# KiCad board reCamera S101 v1.1.kicad_pcb
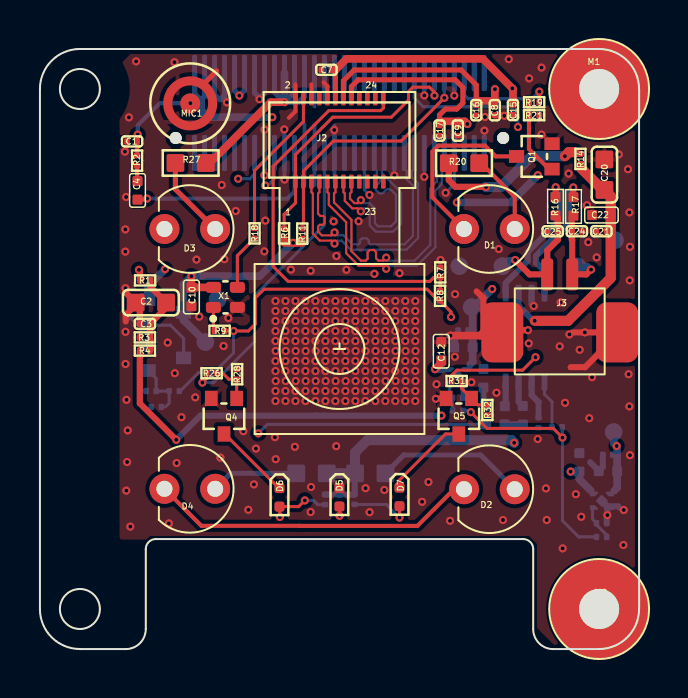
[diagram p0: board, top side]
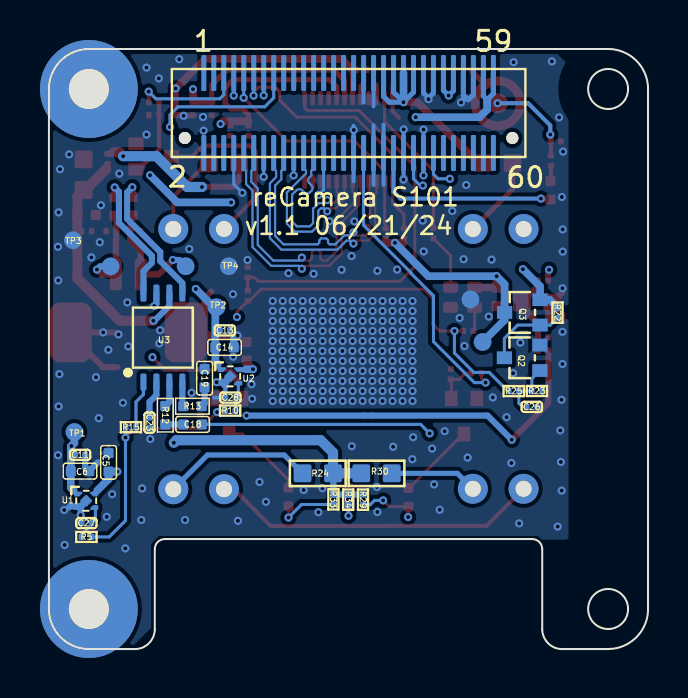
[diagram p1: board, bottom side, seen from below]

Outline 30 x 30 mm; copper layers: Top, In1.Cu, In2.Cu, Bottom. Coordinates in mm from the lower left corner of the outline.
Outline path: circle c2,28 r1 ; circle c2,2 r1 ; 2,0 4.3,0 arc(5.01,0.29) 5.3,1 5.3,5 arc(5.45,5.35) 5.8,5.5 24.2,5.5 arc(24.55,5.35) 24.7,5 24.7,1 arc(24.99,0.29) 25.7,0 28,0 ; 2,0 arc(0.59,0.59) 0,1.99 0,28 arc(0.58,29.41) 1.99,30 28,30 arc(29.41,29.42) 30,28 30,2 arc(29.41,0.59) 28,0
Stack: Top 0.035mm / dielectric 0.1mm FR4 er 4.5 / In1.Cu 0.035mm / dielectric 1.24mm FR4 er 4.5 / In2.Cu 0.035mm / dielectric 0.1mm FR4 er 4.5 / Bottom 0.035mm

## Placement (name value [footprint] x y rotation side)
C1  100pF  [C0201]  4.61 25.38 180 top
C2  22uF  [C0603]  5.55 17.32 180 top
C3  100nF  [C0201]  5.25 16.26 180 top
C4  2.2uF  [C0402]  4.88 22.93 90 top
C5  4.7uF  [C0402]  27.01 9.34 90 bottom
C6  10uF  [C0402]  28.44 8.9 180 bottom
C7  100nF  [C0201]  14.34 28.96 180 top
C8  100nF  [C0201]  22.78 26.94 270 top
C9  100nF  [C0201]  20.92 25.92 270 top
C10  1uF  [C0402]  7.58 17.61 270 top
C11  100nF  [C0201]  28.44 9.71 180 bottom
C12  4.7uF  [C0402]  20.09 14.89 90 top
C13  100nF  [C0201]  21.19 15.93 180 bottom
C14  10uF  [C0402]  21.2 15.08 180 bottom
C15  1uF  [C0201]  23.69 26.95 270 top
C16  1uF  [C0201]  21.85 26.94 270 top
C17  1uF  [C0201]  20.01 25.92 270 top
C18  2.2uF  [C0402]  22.8 11.23 0 bottom
C19  2.2uF  [C0402]  22.2 13.54 270 bottom
C20  10uF  [C0603]  28.26 23.72 90 top
C21  100nF  [C0201]  28.11 20.89 180 top
C22  1uF  [C0402]  28.11 21.7 180 top
C23  100nF  [C0201]  24.96 11.32 270 bottom
C24  1nF  [C0201]  26.88 20.89 0 top  (not fitted)
C25  1nF  [C0201]  25.67 20.89 180 top  (not fitted)
C26  100nF  [C0201]  5.82 12.11 180 bottom  (not fitted)
C27  100nF  [C0201]  28.12 6.3 0 bottom  (not fitted)
C28  100nF  [C0201]  20.91 12.57 0 bottom
D1  White  [LED2-2.54-4.15MM]  22.5 21 180 top
D2  White  [LED2-2.54-4.15MM]  22.5 7.99 180 top
D3  White  [LED2-2.54-4.15MM]  7.5 21 180 top
D4  White  [LED2-2.54-4.15MM]  7.5 8.01 180 top
D5  Green  [LED-0402]  14.99 7.59 270 top
D6  Red  [LED-0402]  11.99 7.59 270 top
D7  Blue  [LED-0402]  18 7.61 270 top
J1  ST-BTB-058060-B  [BTB60-Male-Female-0.5-17.7x4.4mm]  14.99 26.8 180 bottom
J2  DF30FC-24DS-0.4V  [BTB2x12P_0d4_7_02x3_76x0_9mm]  14.99 25.45 0 top
J3  1.25-2A-WT  [GH2-1.25-7.4X5.3X3.5MM]  26.03 19.53 180 top
M1  -  [PTH_5X2MM]  28 28 0 top
M2  -  [PTH_5X2MM]  28 2 0 top
MIC1  B4013AM422-42  [MIC-5P-SMD-4X4MM]  7.52 27.28 90 top
Q1  YJL2102W  [SOT-323]  24.75 24.63 0 top
Q2  LBSS138WT1G  [SOT-323]  6.3 14.56 180 bottom
Q3  CJ2101  [SOT-323]  6.29 16.83 180 bottom
Q4  LBSS138WT1G  [SOT-323]  9.21 11.64 90 top
Q5  LBSS138WT1G  [SOT-323]  20.97 11.64 90 top
R1  2.2K  [R0201]  5.26 18.43 180 top
R2  2.2R  [R0201]  4.86 24.42 270 top
R3  1K  [R0201]  5.25 15.58 0 top
R4  330R  [R0201]  5.25 14.92 180 top
R5  1K  [R0201]  28.12 5.61 180 bottom
R6  4.7K  [R0201]  12.22 20.78 270 top
R7  10K  [R0201]  20.04 18.83 270 top
R8  0R  [R0201]  20.03 17.66 90 top  (not fitted)
R9  1K  [R0201]  8.99 15.91 0 top
R10  100K  [R0201]  20.92 11.92 0 bottom
R11  4.7K  [R0201]  13.13 20.77 270 top
R12  30K  [R0402]  24.17 11.69 90 bottom
R13  30K  [R0402]  22.81 12.14 0 bottom
R14  0R  [R0201]  27.06 24.51 270 top
R15  10K  [R0201]  25.89 11.09 0 bottom
R16  0R  [R0402]  25.81 22.14 270 top
R17  0R  [R0402]  26.71 22.13 270 top
R18  0R  [R0201]  10.74 20.78 90 top
R19  1K  [R0201]  24.74 27.34 180 top
R20  100R  [R0603]  21.23 24.29 180 top
R21  47K  [R0201]  24.74 26.69 180 top
R22  100K  [R0201]  4.53 16.82 90 bottom
R23  100K  [R0201]  5.56 12.9 0 bottom
R24  100R  [R0603]  16.54 8.79 180 bottom
R25  1K  [R0201]  6.72 12.9 180 bottom
R26  1K  [R0201]  8.59 13.79 0 top
R27  100R  [R0603]  7.55 24.3 0 top
R28  47K  [R0201]  9.87 13.74 270 top
R29  1K  [R0201]  14.27 7.47 90 bottom
R30  100R  [R0603]  13.6 8.79 0 bottom
R31  1K  [R0201]  20.86 13.4 0 top
R32  47K  [R0201]  22.4 11.95 90 top
R33  1K  [R0201]  15.75 7.48 90 bottom
R34  1K  [R0201]  15.01 7.47 90 bottom
TP1  Test Point  [TP-D35MIL]  28.72 10.85 90 bottom
TP2  Test Point  [TP-D35MIL]  21.61 17.09 90 bottom
TP3  Test Point  [TP-D35MIL]  28.79 20.44 90 bottom
TP4  Test Point  [TP-D35MIL]  20.99 19.14 90 bottom
TP5  Test Point  [TP-D35MIL]  26.91 19.13 0 bottom
TP6  Test Point  [TP-D35MIL]  23.15 19.14 0 bottom
TP7  Test Point  [TP-D35MIL]  8.89 17.48 90 bottom
TP8  Test Point  [TP-D35MIL]  8.28 15.35 270 bottom
U1  SGM2036S-2.8XXDH4G/TR  [X2SON4-0.625-1x1x0.6mm]  28.13 7.41 180 bottom
U2  SGM2036S-1.5XXDH4G/TR  [X2SON4-0.625-1x1x0.6mm]  20.92 13.63 180 bottom
U3  NS4150B  [MSOP8-0.65-3X3X1MM]  24.29 15.57 180 bottom
X1  24MHz  [X4-SMD-2.0X1.6MM]  9.28 17.59 0 top

## Library data of the parts
C1 = -: Description: SMD CAP Ceramic 100pF-50V-5%-NP0;0201; Manufacturer: YAGEO; MPN: CC0201JRNPO9BN101; SKU: 302010420; Voltage Rating: 50V,NPO; Status: XIAO; Temperature: -55°C to 125°C; ki_fp_filters: Capacitor:C0201
C2 = -: Description: SMD CAP Ceramic 22uF-6.3V-20%-X5R;0603; Manufacturer: YAGEO; MPN: CC0603MRX5R5BB226; SKU: 302010120; Part Type: Ceramic; Voltage Rating: 6.3V,X5R; Status: BeagleBone AI TDA4VM; Temperature: -55°C to 85°C; ki_fp_filters: Capacitor:C0603
C3 C7-C9 C11 C13 C21 C23 C26-C28 = -: Description: SMD CAP Ceramic 100nF-10V-10%-X5R;0201; Manufacturer: YAGEO; MPN: CC0201KRX5R6BB104; SKU: 302010271; Part Type: Ceramic; Voltage Rating: 10V,X5R; Status: ODYSSEY-i.MX8M; Temperature: -55°C to 85°C; ki_fp_filters: Capacitor:C0201
C4 C18 C19 = -: Description: SMD CAP Ceramic 2.2uF-6.3V-20%-X5R;0402; Manufacturer: YAGEO; MPN: CC0402MRX5R5BB225; SKU: 302010233; Part Type: Ceramic; Voltage Rating: 6.3V,X5R; Status: BeagleBone Carrier Board; Temperature: -55°C to 85°C; ki_fp_filters: Capacitor:C0402
C5 C12 = -: Description: SMD CAP Ceramic 4.7uF-10V-10%-X5R;0402; Manufacturer: YAGEO; MPN: CC0402KRX5R6BB475; SKU: 302010407; Part Type: Ceramic; Voltage Rating: 10V,X5R,10%; Status: BBG; Temperature: -55°C to 85°C; ki_fp_filters: Capacitor:C0402
C6 C14 = -: Description: SMD CAP Ceramic 10uF-6.3V-20%-X5R;0402; Manufacturer: YAGEO; MPN: CC0402MRX5R5BB106; SKU: 302010053; Part Type: Ceramic; Voltage Rating: 6.3V,X5R; Status: ST; Temperature: -55°C to 85°C; ki_fp_filters: Capacitor:C0402
C10 C22 = -: Description: SMD CAP Ceramic 1uF-10V-10%-X5R;0402; Manufacturer: YAGEO; MPN: CC0402KRX5R6BB105; SKU: 302010040; Part Type: Ceramic; Voltage Rating: 10V,X5R; Status: BeagleBone Carrier Board; Temperature: -55°C to 85°C; ki_fp_filters: Capacitor:C0402
C15-C17 = -: Description: SMD CAP Ceramic 1uf-6.3V-10%-X5R;0201; Manufacturer: Yageo; MPN: CC0201KRX5R5BB105; SKU: 302011829; Part Type: Ceramic; Voltage Rating: 6.3V，X5R; Status: Recamera; Temperature: -55℃ to 125℃; ki_fp_filters: Capacitor:C0201
C20 = -: Description: SMD CAP Ceramic 10uF-10V-10%-X5R;0603; Manufacturer: YAGEO; MPN: CC0603KRX5R6BB106; SKU: 302010103; Part Type: Ceramic; Voltage Rating: 10V,X5R; Status: BeagleBone Carrier Board; Temperature: -55°C to 85°C; ki_fp_filters: Capacitor:C0603
C24 C25 = -: Description: SMD CAP Ceramic 1nF-16V-10%-X7R;0201; Manufacturer: YAGEO; MPN: CC0201KRX7R7BB102; SKU: 302010389; Part Type: Ceramic; Voltage Rating: 16V,X7R; Status: BeagleBone AI TDA4VM; Temperature: -55°C to 125°C; ki_fp_filters: Capacitor:C0201
D1-D4 = -: Description: DIP LED Clear White;2P-2.54-3mm; Manufacturer: Everlight; MPN: 204-15UTC/S400-X9; SKU: 204-15UTC/S400-X9; Part Type: LED; Status: Recamera; Temperature: -40°C to 80°C; ki_fp_filters: LED2-2.54-4.15MM
D5 = -: Description: SMD LED Clear-Green;0402; Manufacturer: Bright; MPN: BL-HGE37A-AV-TRB; SKU: 304090121; Part Type: LED; Status: ST_AI_CAMERA; Temperature: -40°C to 85°C; ki_fp_filters: Diode:LED-0402
D6 = -: Description: SMD LED Clear-Red;0402; Manufacturer: Bright; MPN: BL-HUB37A-AV-TRB; SKU: 304090122; Part Type: LED; Status: ST; Temperature: -40°C to 85°C; ki_fp_filters: Diode:LED-0402
D7 = -: Description: SMD LED Clear-Blue;0402; Manufacturer: Bright; MPN: BL-HB337A-AV-TRB; SKU: 304090075; Part Type: LED; Status: ST; Temperature: -40°C to 85°C; ki_fp_filters: Diode:LED-0402
J1 = -: Description: SMD BTB Female CONN;2*30P-0.5mm-17.7*4.4*4mm; Manufacturer: SUNGTECH; Part Type: BTB CONN; Temperature: -25°C to 85°C
J2 = -: Description: SMD BTB Female CONN;2*12P-0.4mm-7.02*3.76*0.9mm; Manufacturer: HRS; Part Type: Connector; Temperature: -55°C to +85°C; ki_fp_filters: Connector:BTB2x12P_0d4_7_02x3_76x0_9mm
J3 = -: Description: SMD Female Header-White;1*2P-1.25mm-90D; Manufacturer: SiTuoZhan; SKU: 320031484; Part Type: Connectors; Temperature: -25°C to +85°C
M1 M2 = -: SKU: PTH; Part Type: PTH; ki_fp_filters: Connector:PTH_5X2MM
MIC1 = -: Description: SMD Mic OMI -42dB;2P-D4-H1.3mm; Manufacturer: GoerTek; SKU: 312030402; Part Type: MIC; Temperature: -30°C to 70°C
Q1 = -: Description: SMD MOSFET N-CH 20V-3A;SOT-323; Manufacturer: 杨杰电子; SKU: 305031540; Part Type: NMOS; Rating: 20V 3A; Status: Testo POE; Temperature: -55°C to 150°C; ki_fp_filters: Mosfet:SOT-323
Q2 Q4 Q5 = -: Description: SMD MOSFET N-CH 50V-200mA;SOT-323-3; Manufacturer: LRC; SKU: 305031542; Part Type: NMOS; Rating: 200mA; Temperature: -55°C to 150°C; ki_fp_filters: Mosfet:SOT-323
Q3 = -: Description: SMD MOSFET P-CH 20V-2.1A;SOT-323; Manufacturer: CJ; SKU: 305030084; Part Type: PMOS; Rating: 20V 1.4A; Status: ST; ki_fp_filters: Mosfet:SOT-323
R1 = -: Description: SMD RES 2.2K-1%-1/20W;0201; Manufacturer: YAGEO; MPN: RC0201FR-072K2L; SKU: 301010753; Part Type: RES; Power Rating: 1%; Status: BeagleBone AI TDA4VM; Temperature: -55°C to 125°C; ki_fp_filters: Resistor:R0201
R2 = -: Description: SMD RES 2.2R-1%-1/20W;0201; Manufacturer: YAGEO; MPN: RC0201FR-072R2L; SKU: 301013729; Part Type: RES; Power Rating: 1%; Status: Recamera; Temperature: -55°C to 125°C; ki_fp_filters: Resistor:R0201
R3 R5 R9 R19 R25 R26 R29 R31 R33 R34 = -: Description: SMD RES 1K-±1%-1/20W;0201; Manufacturer: YAGEO; MPN: RC0201FR-071KL; SKU: 301010523; Part Type: RES; Power Rating: 1%; Status: ST; Temperature: -55°C to 125°C; ki_fp_filters: Resistor:R0201
R4 = -: Description: SMD RES 330R-1%-1/20W;0201; Manufacturer: YAGEO; MPN: RC0201FR-07330RL; SKU: TMP001; Part Type: RES; Power Rating: 1%; Status: Recamera; Temperature: -55°C to 125°C; ki_fp_filters: Resistor:R0201
R6 R11 = -: Description: SMD RES;4.7K-5%-1/20W;0201; Manufacturer: YAGEO; MPN: RC0201JR-074K7L; SKU: 301010677; Part Type: RES; Power Rating: 1%; Status: XIAO; Temperature: -55°C to 125°C; ki_fp_filters: Resistor:R0201
R7 R15 = -: Description: SMD RES 10K-±1%-1/20W;0201; Manufacturer: YAGEO; MPN: RC0201FR-0710KL; SKU: 301010526; Part Type: RES; Power Rating: 1%; Status: BeagleBone AI TDA4VM; Temperature: -55°C to 125°C; ki_fp_filters: Resistor:R0201
R8 R14 R18 = -: Description: SMD RES 0R-±1%-1/20W;0201; Manufacturer: YAGEO; MPN: RC0201FR-070RL; SKU: 301010525; Part Type: RES; Power Rating: 1%; Status: BeagleBone AI TDA4VM; Temperature: -55°C to 125°C; ki_fp_filters: Resistor:R0201
R10 R22 R23 = -: Description: SMD RES 100K-±1%-1/20W;0201; Manufacturer: YAGEO; MPN: RC0201FR-07100KL; SKU: 301010765; Part Type: RES; Power Rating: 1%; Status: XIAO; Temperature: -55°C to 125°C; ki_fp_filters: Resistor:R0201
R12 R13 = -: Description: SMD RES 30K-1%-1/16W;0402; Manufacturer: YAGEO; MPN: RC0402FR-0730KL; SKU: 301010048; Part Type: RES; Power Rating: 1%; Status: RT-M7; Temperature: -55°C to 155°C; ki_fp_filters: Resistor:R0402
R16 R17 = -: Description: SMD RES 0R-5%-1/16W;0402; Manufacturer: YAGEO; MPN: RC0402JR-070RL; SKU: 301010000; Part Type: RES; Power Rating: 5%; Status: BeagleBone Carrier Board; Temperature: -55°C to 155°C; ki_fp_filters: Resistor:R0402
R20 R24 R27 R30 = -: Description: SMD RES 100R-5%-1/10W;0603; Manufacturer: YAGEO; MPN: RC0603JR-07100RL; SKU: 301010090; Part Type: RES; Power Rating: 5%; Status: Sensecap Gateway V1; Temperature: -55°C to 155°C; ki_fp_filters: Resistor:R0603
R21 R28 R32 = -: Description: SMD RES;47K-5%-1/20W;0201; Manufacturer: YAGEO; MPN: RC0201JR-0747KL; SKU: 301010678; Part Type: RES; Power Rating: 5%; Status: BeagleBone AI TDA4VM; Temperature: -55°C to 125°C; ki_fp_filters: Resistor:R0201
TP1-TP8 = -: Description: Test Point;TP35C_SMD; SKU: TP35C_SMD; ki_fp_filters: Misc:TP-D35MIL
U1 = -: Description: SMD IC PMIC;LDO-2.8V-300mA;XTDFN-1*1-4L; Manufacturer: SGMICRO; SKU: 310032713; Part Type: PMIC; Rating: 300mA; Temperature: -40°C to 125°C
U2 = -: Description: SMD IC PMIC;LDO-1.5V-300mA;XTDFN-1*1-4L; Manufacturer: SGMICRO; SKU: 310032893; Part Type: PMIC; Rating: 300mA; Temperature: -40°C to 125°C
U3 = -: Description: SMD IC Audio;Class-D AMP;MSOP8; Manufacturer: Nsiway; SKU: 310021355; Part Type: IC; Temperature: -40°C ~ +85°C; ki_fp_filters: Ic:MSOP8-0.65-3X3X1MM
X1 = -: Description: SMD Oscillator;24MHZ-1.8V-15ppm-3mA-4P-L2.0*W1.6*H0.74mm; Manufacturer: Faith Long; MPN: 9C24000004; SKU: 9C24000004; Part Type: OSC & XTAL; Rating: 15ppm; Status: Recamera; Temperature: -40°C to 85°C; ki_fp_filters: Crystal:X4-SMD-2.0X1.6MM

## Footprints (pads in the part's own frame, mm; a bottom-side part is the same pattern mirrored in y, then rotated)
BTB2x12P_0d4_7_02x3_76x0_9mm
  rrect 0.23x0.7 smd: 1(-2.2,-2.08) 2(-2.2,2.08) 3(-1.8,-2.08) 4(-1.8,2.08) 5(-1.4,-2.08) 6(-1.4,2.08) 7(-1,-2.08) 8(-1,2.08) 9(-0.6,-2.08) 10(-0.6,2.08) 11(-0.2,-2.08) 12(-0.2,2.08) 13(0.2,-2.08) 14(0.2,2.08) 15(0.6,-2.08) 16(0.6,2.08) 17(1,-2.08) 18(1,2.08) 19(1.4,-2.08) 20(1.4,2.08) 21(1.8,-2.08) 22(1.8,2.08) 23(2.2,-2.08) 24(2.2,2.08)
BTB60-Male-Female-0.5-17.7x4.4mm
  round 0.6 hole 0.6 unplated: (-8.2,-1.25) (8.2,-1.25)
  rrect 0.25x1.8 smd: 1(-7.25,2) 2(-7.25,-2) 3(-6.75,2) 4(-6.75,-2) 5(-6.25,2) 6(-6.25,-2) 7(-5.75,2) 8(-5.75,-2) 9(-5.25,2) 10(-5.25,-2) 11(-4.75,2) 12(-4.75,-2) 13(-4.25,2) 14(-4.25,-2) 15(-3.75,2) 16(-3.75,-2) 17(-3.25,2) 18(-3.25,-2) 19(-2.75,2) 20(-2.75,-2) 21(-2.25,2) 22(-2.25,-2) 23(-1.75,2) 24(-1.75,-2) 25(-1.25,2) 26(-1.25,-2) 27(-0.75,2) 28(-0.75,-2) 29(-0.25,2) 30(-0.25,-2) 31(0.25,2) 32(0.25,-2) 33(0.75,2) 34(0.75,-2) 35(1.25,2) 36(1.25,-2) 37(1.75,2) 38(1.75,-2) 39(2.25,2) 40(2.25,-2) 41(2.75,2) 42(2.75,-2) 43(3.25,2) 44(3.25,-2) 45(3.75,2) 46(3.75,-2) 47(4.25,2) 48(4.25,-2) 49(4.75,2) 50(4.75,-2) 51(5.25,2) 52(5.25,-2) 53(5.75,2) 54(5.75,-2) 55(6.25,2) 56(6.25,-2) 57(6.75,2) 58(6.75,-2) 59(7.25,2) 60(7.25,-2)
C0201
  rrect 0.279x0.318 smd: 1(-0.255,0) 2(0.255,0)
C0402
  rrect 0.5x0.5 smd: 1(-0.463,0) 2(0.463,0)
C0603
  rrect 0.889x0.889 smd: 1(-0.762,0) 2(0.762,0)
GH2-1.25-7.4X5.3X3.5MM
  rrect 0.6x1.6 smd: 1(-0.625,0.8) 2(0.625,0.8)
  rrect 2.1x3 smd: 3(-2.875,3.7) 4(2.875,3.7)
LED2-2.54-4.15MM
  round 1.5 hole 0.8: 1(-1.27,0) 2(1.27,0)
LED-0402
  rrect 0.5x0.5 smd: 1(0.463,0) 2(-0.463,0)
MIC-5P-SMD-4X4MM
  rrect 1x1 smd: 1(0,0)
  rrect 0.35x0.35 smd: 2(-0.934,0.635) 3(0.953,0.617) 4(0.934,-0.635) 5(-0.953,-0.617)
MSOP8-0.65-3X3X1MM
  rrect 0.3x0.85 smd: 1(-0.975,-2.225) 2(-0.325,-2.225) 3(0.325,-2.225) 4(0.975,-2.225) 5(0.975,2.225) 6(0.325,2.225) 7(-0.325,2.225) 8(-0.975,2.225)
PTH_5X2MM
  round 4.9 hole 2: 1(0,0)
R0201
  rrect 0.279x0.318 smd: 1(-0.255,0) 2(0.255,0)
R0402
  rrect 0.5x0.5 smd: 1(-0.463,0) 2(0.463,0)
R0603
  rrect 0.889x0.889 smd: 1(-0.762,0) 2(0.762,0)
SOT-323
  rect 0.762x0.635 smd: 1(0.889,-0.635) 2(0.889,0.635) 3(-0.889,0)
TP-D35MIL
  rrect 0.889x0.889 smd: 1(0,0)
X2SON4-0.625-1x1x0.6mm
  custom 0.409x0.235 smd: 1(-0.463,0.338) 2(-0.463,-0.338) 3(0.462,-0.337) 4(0.464,0.337)
  rrect 0.45x0.45 smd rot 135: 5(0,0)
X4-SMD-2.0X1.6MM
  rrect 0.75x0.55 smd: 1(-0.6,-0.5) 2(0.6,-0.5) 3(0.6,0.5) 4(-0.6,0.5)

## Nets
1V8: J1.49 J1.51 Q3.2 R22.2
3V3: C5.1 C12.1 J1.57 J1.59 U1.4 U2.4
GND: C1.2 C2.2 C3.2 C5.2 C6.2 C7.2 C8.2 C9.2 C10.2 C11.2 C12.2 C13.2 C14.2 C15.2 C16.2 C17.2 C19.1 C20.2 C21.2 C22.2 C23.2 C24.2 C25.2 C26.2 C27.2 C28.2 D5.2 J1.2 J1.7 J1.8 J1.13 J1.14 J1.20 J1.26 J1.32 J1.33 J1.35 J1.36 J1.38 J1.42 J1.45 J1.46 J1.47 J1.53 J1.55 J2.2 J2.6 J2.10 J3.3 J3.4 MIC1.2 MIC1.3 MIC1.4 MIC1.5 Q1.2 Q2.2 Q4.2 Q5.2 R3.1 R7.1 R21.1 R23.1 R28.1 R32.1 TP3.1 TP4.1 TP7.1 U1.2 U1.5 U2.2 U2.5 U3.7 X1.2
VIN: J1.37 J1.39 J1.41 J1.43 R14.1 R20.2 R24.2 R27.2 R29.2 R30.2 R33.2 R34.2
/24MHz: J2.4 R18.2
AUD_AOUTR: C18.1 J1.44
AUD_MIC: C4.1 J1.40
CAM_1V5: C9.1 C13.1 C14.1 C17.1 J2.16 TP2.1 U2.1
CAM_1V8: C8.1 C10.1 C16.1 J2.14 Q3.3 R6.2 R11.2 TP8.1 X1.4
CAM_2V8: C6.1 C7.1 C11.1 C15.1 J2.12 R4.2 TP1.1 U1.1
CAM_EN: J1.48 R5.2 R8.1 R9.2 R10.2 R15.2 R25.1
CAM_I2C2_SCL: J1.9 J2.3 R11.1
CAM_I2C2_SDA: J1.11 J2.1 R6.1
CAM_RX0_0N: J1.16 J2.5
CAM_RX0_0P: J1.18 J2.7
CAM_RX0_1N: J1.22 J2.13
CAM_RX0_1P: J1.24 J2.15
CAM_RX0_3N: J1.28
CAM_RX0_3P: J1.30
CAM_RX0_4N: J1.4
CAM_RX0_4P: J1.6
CAM_RX0_CLKN: J1.10 J2.9
CAM_RX0_CLKP: J1.12 J2.11
GPIO15/IR_CUT: J1.34 R26.1
IR_PWM: J1.15 R31.1
LIGHT_SENSE: J1.17
RESERVE1: J1.3
RESERVE2: J1.1
WH_PWM: J1.5 R19.1
Net-(C2-Pad1): C2.1 C3.1 R1.1 R3.2 R4.1
Net-(C4-Pad2): C4.2 R2.2
Net-(C18-Pad2): C18.2 R12.1
Net-(C19-Pad2): C19.2 R13.1
Net-(D1-Pad1): D1.1 R20.1
Net-(D2-Pad1): D2.1 R24.1
Net-(D3-Pad1): D3.1 R27.1
Net-(D4-Pad1): D4.1 R30.1
Net-(D5-+): D5.1 R34.1
Net-(D6-+): D6.1 R29.1
Net-(D6--): D6.2 Q4.3
Net-(D7-+): D7.1 R33.1
Net-(D7--): D7.2 Q5.3
Net-(J2-Pad24): J2.24 R7.2 R8.2
Net-(MIC1-+): C1.1 MIC1.1 R1.2 R2.1
Net-(Q1-D): D1.2 D2.2 D3.2 D4.2 Q1.3
Net-(Q1-G): Q1.1 R19.2 R21.2
Net-(Q2-D): Q2.3 Q3.1 R22.1
Net-(Q2-G): C26.1 Q2.1 R23.2 R25.2
Net-(Q4-G): Q4.1 R26.2 R28.2
Net-(Q5-G): Q5.1 R31.2 R32.2
Net-(TP5-T): C24.1 J3.1 R17.2 TP5.1
Net-(TP6-T): C25.1 J3.2 R16.2 TP6.1
Net-(U1-EN): C27.1 R5.1 U1.3
Net-(U2-EN): C28.1 R10.1 U2.3
Net-(U3-Bypass): C23.1 U3.2
Net-(U3-CTRL): R15.1 U3.1
Net-(U3-INN): R13.2 U3.4
Net-(U3-INP): R12.2 U3.3
Net-(U3-VCC): C20.1 C21.1 C22.1 R14.2 U3.6
Net-(U3-VoN): R16.1 U3.5
Net-(U3-VoP): R17.1 U3.8
Net-(X1-CLK): R18.1 X1.3
Net-(X1-ENABLE): R9.1 X1.1

Pads without a net: J1 19 21 23 25 27 29 31 50 52 54 56 58 60; J2 8 17 18 19 20 21 22 23; M1 1; M2 1

## Via types
v1: diameter 0.406, hole 0.203, Top to Bottom, 334 vias

## Routing (per net, layer and track width the routed paths; a pad name or vN(x,y) marks a point on that pad's centre or on a via; arc(x,y) is an arc through that point)
1V8: length 15.6
  In1.Cu w0.381: v1(9.98,27.67) 9.98,25.77 7.52,23.31 7.52,20.25 v1(6.26,18.99)
  Bottom w0.254: J1.49 10.24,27.93 v1(9.98,27.67) 9.74,27.91 J1.51
  Bottom w0.381: v1(6.26,18.99) 5.41,18.14 Q3.2 4.93,17.47 R22.2
3V3: length 41.9
  Top w0.381: v1(19.78,13.99) 20.09,14.3 C12.1
  In1.Cu w0.381: v1(26.57,8.87) 25.69,9.75 22.87,9.75 21.08,11.55 21.08,12.72 19.81,13.99 v1(19.78,13.99) 19.78,17.7 22.51,20.43 22.51,21.88 17.79,26.6 11.64,26.6 v1(11.63,26.59)
  Bottom w0.203: U1.4 27.67,7.84 27.58,7.93
  Bottom w0.254: J1.57 8.24,27.65 8.05,27.46 7.74,27.77 J1.59 ; U2.4 20.16,13.97 20.13,13.99
  Bottom w0.381: v1(11.63,26.59) 8.43,26.59 8.05,26.97 8.05,27.46 8.05,27.18 ; 27.58,7.93 27.01,8.5 C5.1 26.58,8.88 v1(26.57,8.87) ; v1(19.78,13.99) 20.13,13.99
GND: length 62.3
  Top w0.152: 15,8.07 15,8.07
  Top w0.203: 12.79,28.23 J2.2 12.79,26.89 12.46,26.56 ; J2.6 13.59,28.23 ; J2.10 14.39,28.14 14.2,28.33
  Top w0.254: MIC1.4 8.84,28.9
  Top w0.305: 21.86,17.88 22.2,17.55 22.2,15.83 22.31,15.94 v1(24.43,15.94) ; Q5.2 19.81,12.53 ; 4.29,16.38 4.29,16.71 4.79,17.21 C2.2 ; 26.57,14.09 27.29,14.09 28.65,15.45 28.65,15.83 ; v1(4.28,18.04) 4.28,17.83 C2.2 ; C8.2 23.23,26.69 v1(23.25,26.66) 23.29,26.7 C15.2 ; C3.2 5,17.12 C2.2 ; 28.65,15.83 26.68,15.83 ; 28.65,15.83 28.65,14.7
  Top w0.381: 22.2,15.83 22.04,15.67 v1(20.55,15.67)
  In2.Cu w0.508: 28,25.05 28.32,24.72
  Bottom w0.152: J1.14 v1(19.24,23.61) ; v1(16.5,22.71) 16.24,22.97 J1.26 ; v1(20.31,22.81) 20.74,23.24 J1.8 ; J1.20 v1(17.74,23.68)
  Bottom w0.203: 11.24,26.01 J1.46 v1(11.24,23.68) ; 13.24,23.21 J1.38 13.24,26.21 ; 14.74,23.38 J1.32 14.74,26.16 ; J1.13 v1(19.24,27.68) ; 13.74,23.21 J1.36 13.74,26.19 ; 12.24,26.02 J1.42 v1(12.24,23.47) ; J1.33 14.24,27.32 ; 21.72,12.57 C28.2 21.17,13.08 U2.2 21.56,13.3 v1(21.6,13.34) ; J1.7 v1(20.74,27.67) ; J1.35 13.74,27.14
  Bottom w0.254: J1.47 10.74,27.8 10.99,27.55 11.24,27.8 J1.45 ; v1(9.36,27.33) 9.24,27.45 J1.53 9.24,27.7 9,27.46 8.74,27.72 J1.55
  Bottom w0.305: U2.5 21.11,13.44 21.11,13.34 v1(21.6,13.34) ; C11.2 28.18,9.1 C6.2 27.98,8.91 27.55,9.34 ; 24.62,17.8 24.62,17.26 v1(24.72,17.15) ; C27.2 28.38,6.66 v1(28.41,6.7) 28.41,7.14 U1.5 28.36,7.19 28.36,7.14 28.94,7.14 29,7.08
  Bottom w0.381: C14.2 20.74,15.49 v1(20.55,15.67)
  vias: v1(4.25,24.87) v1(4.31,22.6) v1(4.27,20.98) v1(4.27,19.87) v1(4.28,15.86) v1(4.28,14.25) v1(4.33,12.46) v1(4.32,7.92) v1(4.39,10.93) v1(4.36,9.35) v1(4.45,26.58) v1(4.52,6.12) v1(4.81,29.38) v1(6.39,15.32) v1(6.45,6.28) v1(6.73,29.34) v1(6.75,13.79) v1(6.84,9.3) v1(7.08,11.59) v1(7.83,19.47) v1(7.77,12.58) v1(7.97,16.62) v1(9.03,9.57) v1(9.1,23.2) v1(9.23,19.49) v1(9.19,15.15) v1(9.43,16.55) v1(9.8,21.9) v1(10.18,10.89) v1(10.43,6.96) v1(10.71,8.23) v1(10.81,10.02) v1(10.99,27.49) v1(11.24,25.97) v1(11.23,19.88) v1(11.28,21.42) v1(11.79,17.4) v1(11.79,16.9) v1(11.79,16.4) v1(11.79,15.9) v1(11.79,15.4) v1(11.8,14.9) v1(11.79,14.4) v1(11.79,13.9) v1(11.8,13.4) v1(11.79,12.9) v1(11.79,12.4) v1(11.76,10.59) v1(11.8,9.49) v1(12.23,25.98) v1(12.29,17.4) v1(12.29,16.9) v1(12.29,16.4) v1(12.29,15.9) v1(12.29,15.4) v1(12.3,14.9) v1(12.29,14.4) v1(12.29,13.9) v1(12.3,13.4) v1(12.29,12.9) v1(12.29,12.4) v1(12.56,18.97) v1(12.79,17.4) v1(12.79,16.9) v1(12.79,16.4) v1(12.79,15.9) v1(12.79,15.4) v1(12.8,14.9) v1(12.79,14.4) v1(12.79,13.9) v1(12.8,13.4) v1(12.79,12.9) v1(12.79,12.4) v1(12.76,10.11) v1(13.29,17.4) v1(13.29,16.9) v1(13.29,16.4) v1(13.29,15.9) v1(13.29,15.4) v1(13.3,14.9) v1(13.29,14.4) v1(13.29,13.9) v1(13.3,13.4) v1(13.29,12.9) v1(13.29,12.4) v1(13.55,18.91) v1(13.57,8.1) v1(13.55,6.85) v1(13.79,17.4) v1(13.79,16.9) v1(13.79,16.4) v1(13.79,15.9) v1(13.79,15.4) v1(13.8,14.9) v1(13.79,14.4) v1(13.79,13.9) v1(13.8,13.4) v1(13.79,12.9) v1(13.79,12.4) v1(14.29,17.4) v1(14.29,16.9) v1(14.29,16.4) v1(14.29,15.9) v1(14.29,15.4) v1(14.3,14.9) v1(14.29,14.4) v1(14.29,13.9) v1(14.3,13.4) v1(14.29,12.9) v1(14.29,12.4) v1(14.73,25.95) v1(14.7,21.38) v1(14.84,19.65) v1(14.79,17.4) v1(14.79,16.9) v1(14.79,16.4) v1(14.79,15.9) v1(14.79,15.4) v1(14.8,14.9) v1(14.79,14.4) v1(14.79,13.9) v1(14.8,13.4) v1(14.79,12.9) v1(14.79,12.4) v1(14.83,10.14) v1(15.34,18.96) v1(15.29,17.4) v1(15.29,16.9) v1(15.29,16.4) v1(15.29,15.9) v1(15.29,15.4) v1(15.3,14.9) v1(15.29,14.4) v1(15.29,13.9) v1(15.3,13.4) v1(15.29,12.9) v1(15.29,12.4) v1(15.79,17.4) v1(15.79,16.9) v1(15.79,16.4) v1(15.79,15.9) v1(15.79,15.4) v1(15.8,14.9) v1(15.79,14.4) v1(15.79,13.9) v1(15.8,13.4) v1(15.79,12.9) v1(15.79,12.4) v1(15.95,21.39) v1(16.29,17.4) v1(16.29,16.9) v1(16.29,16.4) v1(16.29,15.9) v1(16.29,15.4) v1(16.3,14.9) v1(16.29,14.4) v1(16.29,13.9) v1(16.3,13.4) v1(16.29,12.9) v1(16.29,12.4) v1(16.3,8.04) v1(16.5,6.84) v1(16.74,18.76) v1(16.79,17.4) v1(16.79,16.9) v1(16.79,16.4) v1(16.79,15.9) v1(16.79,15.4) v1(16.8,14.9) v1(16.79,14.4) v1(16.79,13.9) v1(16.8,13.4) v1(16.79,12.9) v1(16.79,12.4) v1(17.24,7.95) v1(17.29,17.4) v1(17.29,16.9) v1(17.29,16.4) v1(17.29,15.9) v1(17.29,15.4) v1(17.3,14.9) v1(17.29,14.4) v1(17.29,13.9) v1(17.3,13.4) v1(17.29,12.9) v1(17.29,12.4) v1(17.79,17.4) v1(17.79,16.9) v1(17.79,16.4) v1(17.79,15.9) v1(17.79,15.4) v1(17.8,14.9) v1(17.79,14.4) v1(17.79,13.9) v1(17.8,13.4) v1(17.79,12.9) v1(17.79,12.4) v1(18,18.79) v1(18.29,17.4) v1(18.29,16.9) v1(18.29,16.4) v1(18.29,15.9) v1(18.29,15.4) v1(18.3,14.9) v1(18.29,14.4) v1(18.29,13.9) v1(18.3,13.4) v1(18.29,12.9) v1(18.29,12.4) v1(18.79,17.4) v1(18.79,16.9) v1(18.79,16.4) v1(18.79,15.9) v1(18.79,15.4) v1(18.8,14.9) v1(18.79,14.4) v1(18.79,13.9) v1(18.8,13.4) v1(18.79,12.9) v1(18.79,12.4) v1(19.13,7.36) v1(19.45,8.35) v1(19.82,12.51) v1(19.85,13.24) v1(20.05,19.45) v1(20.53,6.41) v1(20.78,17.74) v1(20.77,14.61) v1(22.28,26.6) v1(22.25,25.92) v1(22.86,12.82) v1(22.97,20) v1(23.18,6.45) v1(23.47,29.49) v1(24.49,28.53) v1(24.47,15.28) v1(24.92,10.5) v1(25.11,29.07) v1(25.11,25.72) v1(25.33,8.03) v1(25.37,6.45) v1(26.02,15.13) v1(26.07,17.33) v1(26.17,5.03) v1(26.29,12.31) v1(26.47,23.77) v1(26.51,15.73) v1(26.83,7.74) v1(27.02,14.96) v1(27.1,6.61) v1(27.28,15.83) v1(27.39,22.19) v1(27.45,20.34) v1(27.5,11.54) v1(27.64,13.59) v1(27.87,19.58) v1(28.98,24.73) v1(29.23,6.95) v1(29.21,5.2) v1(29.44,23.99) v1(29.51,21.83) v1(29.53,18.43) v1(29.47,13.74) v1(29.51,12.13) v1(29.54,20.11) v1(29.54,9.69)
VIN: length 63.9
  Top w0.305: v1(22.33,23.1) 22.32,23.11 20.8,23.11 20.47,23.45 R20.2 ; 26.75,24.84 26.84,24.76 R14.1
  Top w0.381: v1(12.24,27.34) 11.55,27.34 8.51,24.3 R27.2
  Top w0.508: 26.75,24.84 26.48,24.84 v1(26.28,24.64)
  In1.Cu w0.508: v1(12.24,27.34) 18.09,27.34 v1(22.33,23.1) 23.36,23.1 25.1,21.36 25.1,19.83 24.03,18.76 22.31,18.76 21.57,18.02 21.57,16.25 24.01,13.81 24.01,10.58 v1(23.74,10.31)
  Bottom w0.254: v1(12.24,27.34) 12.95,27.34 13.24,27.63 J1.37 ; v1(12.24,27.34) 12.74,27.84 J1.39 ; v1(12.24,27.34) 11.74,27.84 J1.43
  Bottom w0.305: R29.2 15.01,7.73 R34.2 15.74,7.73 R33.2 15.75,8.77 R24.2 ; 14.99,8.77 15.01,8.79
  Bottom w0.381: J1.41 v1(12.24,27.34)
  Bottom w0.508: v1(22.33,23.1) 23.07,23.1 24.61,24.64 v1(26.28,24.64) ; v1(23.74,10.31) 23.61,10.44 16.39,10.44 15.78,9.83 R24.2 R30.2
/24MHz: length 7.5
  Top w0.152: R18.2 10.74,23.92 13.19,26.37 J2.4
AUD_AOUTR: length 26.2
  In1.Cu w0.152: v1(11.28,23.18) 11.28,23.16 10.77,22.65 10.77,10.94 v1(10.93,10.78)
  Bottom w0.152: v1(11.28,23.18) 11.41,23.18 11.74,23.51 J1.44 ; v1(10.93,10.78) 11.38,11.23 C18.1
AUD_MIC: length 10
  Top w0.203: C4.1 5.31,22.47 v1(5.36,22.52)
  Bottom w0.203: v1(5.36,22.52) 12.39,22.52 12.74,22.87 J1.40
CAM_1V5: length 27.8
  Top w0.254: C17.1 20.01,26.7 20.3,27 20.87,27 21.18,27.31 21.18,28.08 20.79,28.46 15.93,28.46 15.59,28.12 J2.16
  Top w0.381: v1(21.4,26.25) 21.27,26.39 20.01,26.39
  In1.Cu w0.381: v1(21.4,26.25) 21.4,25.93 25.78,21.55 25.78,19.55 24.23,18 v1(22.64,18)
  Bottom w0.203: U2.1 21.54,14.13 21.54,14.24
  Bottom w0.305: 21.67,15.94 21.66,15.93 C13.1
  Bottom w0.381: v1(22.64,18) 21.73,17.09 TP2.1 21.67,17.04 C14.1 21.67,14.37 21.54,14.24
CAM_1V8: length 44.5
  Top w0.254: J2.14 15.19,28.41 15.73,28.95 21.09,28.95 21.85,28.2 21.85,27.41
  Top w0.305: R6.2 12.22,20.32 12.23,20.31 ; R11.2 13.13,20.31
  Top w0.381: 21.85,27.41 22.78,27.41 22.78,27.99 v1(22.78,28) ; 12.23,20.31 v1(12.67,20.31) 13.13,20.31 ; X1.4 7.6,18.09 C10.1 v1(7.58,18.64)
  In1.Cu w0.381: 12.66,20.31 v1(12.67,20.31) 13.01,20.31 15.05,18.27 18.23,18.27 18.68,18.72 18.68,20.14 v1(20.88,22.33) ; v1(24.93,23.69) 24.51,24.11 24.51,26.31 22.83,28 v1(22.78,28)
  Bottom w0.381: TP8.1 7.18,16.46 Q3.3 7.18,18.24 v1(7.58,18.64) 11,18.64 12.67,20.31 v1(12.67,20.31) ; v1(24.93,23.69) 23.57,22.33 v1(20.88,22.33)
CAM_2V8: length 65.3
  Top w0.254: v1(23.65,28.03) 23.68,28.01 23.69,28.01 ; J2.12 14.79,28.76
  Top w0.305: R4.2 5,12.29 v1(6.82,10.46)
  Top w0.381: 23.69,27.42 23.69,28 v1(23.65,28.03) 22.17,29.51 15.35,29.51 14.81,28.97 14.81,28.96
  In1.Cu w0.305: v1(20.1,11.67) 22.58,9.19 25.47,9.19 26.28,8.38 27.1,8.38 v1(28.87,10.15)
  In1.Cu w0.381: 26.55,25.14 26.73,24.96 ; 26.55,25.14 23.66,28.03 v1(23.65,28.03) ; 26.55,25.14 28.82,22.87 28.82,10.2 v1(28.87,10.15)
  Bottom w0.203: U1.1 28.76,7.92 28.76,7.93
  Bottom w0.305: v1(6.82,10.46) 8.03,11.67 v1(20.1,11.67) ; C11.1 28.9,9.71 28.9,9.72
  Bottom w0.381: 28.76,7.93 28.9,8.07 C6.1 28.9,10.12 v1(28.87,10.15) 28.72,10.3 TP1.1
CAM_EN: length 48
  Top w0.152: v1(21.57,11.85) 22.39,11.03 25.7,11.03 v1(26.16,10.57) ; R9.2 9.26,15.9 v1(9.69,15.9) 10.43,15.9 10.78,16.25 10.78,17.56 11.21,17.99 19.38,17.99 19.97,17.41 R8.1 20.58,16.86 v1(20.58,16.6)
  In1.Cu w0.152: v1(21.57,11.85) 22.8,11.85 23.46,12.51 23.46,13.59 20.58,16.47 v1(20.58,16.6) ; v1(9.92,23.51) 10.35,23.08 10.35,16.56 v1(9.69,15.9)
  Bottom w0.152: v1(21.57,11.85) 21.5,11.92 R10.2 ; J1.48 10.74,23.74 10.51,23.51 v1(9.92,23.51) ; R5.2 26.98,5.61 26.16,6.42 v1(26.16,10.57) 26.15,10.59 R15.2 ; R25.1 7.02,12.9 7.95,13.83 8.72,13.83 9.69,14.8 v1(9.69,15.9)
CAM_I2C2_SCL: length 12.7
  Top w0.152: R11.1 13.13,21.24 13.19,21.3 J2.3 13.19,23.9 14.69,25.4 18.09,25.4 v1(20.25,27.56)
  Bottom w0.152: J1.9 20.24,27.56
CAM_I2C2_SDA: length 13.9
  Top w0.152: v1(19.75,27.67) 19.75,27.85 19.5,28.09 18.67,28.09 18.45,27.87 18.45,27.45 17.59,26.59 14.66,26.59 12.79,24.72 J2.1 12.79,22.3 12.22,21.73 R6.1
  Bottom w0.152: v1(19.75,27.67) 19.74,27.68 J1.11
CAM_RX0_0N: length 13
  Top w0.109: v1(14.75,20.28) 14.6,20.42 14.01,20.42 13.66,20.77 13.66,22.78 13.59,22.85 J2.5
  Bottom w0.109: J1.16 18.74,24.03 18.63,23.91 18.63,23.6 18.94,23.29 18.94,20.55 18.36,19.97 15.55,19.97 15.1,20.42 14.9,20.42 v1(14.75,20.28)
CAM_RX0_0P: length 13
  Top w0.109: J2.7 13.99,22.85 13.93,22.78 13.93,21.77 14.04,21.65 14.18,21.65 14.25,21.58 14.25,21.3 14.16,21.21 14.01,21.21 13.93,21.12 13.93,20.88 14.12,20.69 14.6,20.69 v1(14.75,20.83)
  Bottom w0.109: J1.18 18.24,24.03 18.36,23.91 18.36,23.49 18.67,23.18 18.67,20.66 18.25,20.23 16.54,20.23 16.46,20.31 16.46,20.43 16.36,20.53 16.11,20.53 16.02,20.44 16.02,20.31 15.95,20.23 15.66,20.23 15.21,20.69 14.9,20.69 v1(14.75,20.83)
CAM_RX0_1N: length 9.1
  Top w0.109: v1(16.07,21.89) 15.92,22.04 15.64,22.04 15.26,22.41 15.26,22.78 15.19,22.85 J2.13
  Bottom w0.109: J1.22 17.24,24.03 17.13,23.91 17.13,23.79 18.09,22.83 18.09,21.27 17.69,20.87 16.83,20.87 16.51,21.19 16.51,21.91 16.39,22.04 16.22,22.04 v1(16.07,21.89)
CAM_RX0_1P: length 9
  Top w0.109: v1(16.07,22.45) 15.92,22.3 15.75,22.3 15.53,22.52 15.53,22.78 15.59,22.85 J2.15
  Bottom w0.109: v1(16.07,22.45) 16.22,22.3 16.5,22.3 16.77,22.02 16.77,21.3 16.94,21.13 17.58,21.13 17.82,21.38 17.82,22.72 17.61,22.94 arc(17.46,23) 17.32,22.94 17.22,22.84 arc(17.07,22.78) 16.93,22.84 16.86,22.91 arc(16.8,23.05) 16.86,23.19 16.96,23.3 arc(17.02,23.44) 16.96,23.58 16.86,23.68 16.86,23.91 16.74,24.03 J1.24
CAM_RX0_CLKN: length 14.1
  Top w0.109: v1(17.34,19.01) 17.19,19.16 15.96,19.16 15.33,19.79 15.33,21.34 14.46,22.21 14.46,22.78 14.39,22.85 J2.9
  Bottom w0.109: J1.10 20.24,24.03 20.13,23.91 20.13,23.25 19.81,22.93 19.81,20.1 18.87,19.16 17.49,19.16 v1(17.34,19.01)
CAM_RX0_CLKP: length 14
  Top w0.109: v1(17.34,19.57) 17.19,19.42 16.94,19.42 16.83,19.54 16.83,19.85 16.72,19.95 16.51,19.95 16.4,19.84 16.4,19.51 16.31,19.42 16.07,19.42 15.6,19.9 15.6,21.46 14.73,22.33 14.73,22.78 14.79,22.85 J2.11
  Bottom w0.109: v1(17.34,19.57) 17.49,19.42 18.76,19.42 19.54,20.21 19.54,23.04 19.86,23.36 19.86,23.91 19.74,24.03 J1.12
GPIO15/IR_CUT: length 14.9
  Top w0.152: R26.1 8.34,13.53 v1(8.13,13.32) 8.13,13.33
  Bottom w0.152: J1.34 14.24,21.19 11.87,18.82 11.87,18.79 10.74,17.66 10.74,15.37 8.69,13.32 v1(8.13,13.32)
IR_PWM: length 25.2
  Top w0.152: v1(24.81,14.59) 24.16,13.94 20.87,13.94 20.61,13.68 R31.1
  In1.Cu w0.152: v1(23.93,26.1) 23.93,24.06 26.15,21.85 26.15,18.93 25.23,18.01 25.23,15.01 v1(24.81,14.59)
  Bottom w0.152: J1.15 18.74,27.56 19.19,27.11 23.53,27.11 23.93,26.71 v1(23.93,26.1)
WH_PWM: length 5.6
  Top w0.203: v1(25,27.87) 25,27.87 R19.1
  Bottom w0.152: v1(25,27.87) 24.64,27.51 21.44,27.51 21.24,27.71 J1.5
Net-(C2-Pad1): length 4.2
  Top w0.305: R4.1 R3.2 C3.1 6.32,17.07 C2.1 5.52,18.12 R1.1
Net-(C4-Pad2): length 0.8
  Top w0.203: R2.2 4.86,23.42 C4.2
Net-(C18-Pad2): length 0.9
  Bottom w0.305: R12.1 24.17,11.23 C18.2
Net-(C19-Pad2): length 1
  Bottom w0.305: C19.2 22.2,12.29 R13.1 22.35,12.15
Net-(D1-Pad1): length 4.1
  Top w0.203: R20.1 22.09,24.29 23.77,22.62 D1.1
Net-(D2-Pad1): length 7.6
  Bottom w0.254: R24.1 18.22,9.7 22.06,9.7 D2.1
Net-(D3-Pad1): length 4.1
  Top w0.254: D3.1 6.78,22.99 R27.1
Net-(D4-Pad1): length 4.4
  Bottom w0.254: D4.1 9.55,8.79 R30.1
Net-(D5-+): length 1
  Top w0.152: 15,7.14 15,6.67 v1(15,6.66)
  Bottom w0.152: R34.1 15.01,6.67 v1(15,6.66)
Net-(D6-+): length 3
  Top w0.152: v1(13.26,7.43) 12.96,7.12 D6.1 ; 12.01,7.14 12.01,7.14 v1(12.01,6.6)
  Bottom w0.152: v1(13.26,7.43) 13.69,7.43 13.91,7.22 R29.1
Net-(D6--): length 3.9
  Top w0.152: D6.2 11.96,8.05 9.25,10.76 Q4.3
Net-(D7-+): length 3.1
  Top w0.152: D7.1 v1(18,6.57)
  Bottom w0.152: R33.1 17.35,7.23 v1(18,6.57)
Net-(D7--): length 4.3
  Top w0.152: Q5.3 20.31,10.76 18,8.45 D7.2
Net-(J2-Pad24): length 21.6
  Top w0.152: R8.2 20.04,17.93 R7.2 19.72,18.58 19.52,18.38 12.43,18.38 11.67,19.13 11.67,24.13 14.46,26.92 17.06,26.92 17.19,27.05 J2.24
Net-(MIC1-+): length 12.8
  Top w0.203: R2.1 4.87,24.68 C1.1 4.87,25.7 v1(4.89,25.72) ; MIC1.1 v1(7.53,27.29)
  Top w0.305: v1(4.95,18.96) 5.01,18.91 R1.2
  In1.Cu w0.305: v1(4.95,18.96) 4.95,21.35 5.93,22.33 5.93,24.68 v1(4.89,25.72)
  Bottom w0.203: v1(4.89,25.72) 4.89,26.18 6,27.29 v1(7.53,27.29)
Net-(Q1-D): length 53.5
  Top w0.203: D4.2 8.08,6.16 12.99,6.16 13,6.16 18.9,6.16 20.73,7.99 ; D1.2 19.65,22.59 19.65,24.87 19.95,25.17 22.28,25.17 22.82,24.63 23.87,24.63
  In1.Cu w0.203: 20.73,7.99 19.37,9.35 19.37,20.1 20.27,21 D1.2
  In1.Cu w0.254: D4.2 5.61,8.63 5.61,19.36 6.23,19.98 D3.2
Net-(Q1-G): length 3.9
  Top w0.203: R19.2 R21.2 24.48,26.69 24.48,25 25.49,24 25.64,24
Net-(Q2-D): length 4.1
  Bottom w0.152: R22.1 4.91,16.2 Q3.1 6.53,16.2 7.19,15.54 Q2.3
Net-(Q2-G): length 2.7
  Bottom w0.152: Q2.1 5.82,13.53 R23.2 5.82,12.9 R25.2 6.47,12.29 6.28,12.11
Net-(Q4-G): length 2.1
  Top w0.152: Q4.1 9.85,13.46 R28.2 9.46,13.49 9.15,13.79 R26.2
Net-(Q5-G): length 2
  Top w0.152: R32.2 21.93,12.21 Q5.1 21.12,13.02 R31.2
Net-(TP5-T): length 4.8
  Top w0.305: R17.2 26.63,21.58 C24.1 26.63,20.47 26.65,20.45 J3.1 27.35,18.73 v1(27.59,18.97)
  Bottom w0.305: TP5.1 27.43,19.13 v1(27.59,18.97)
Net-(TP6-T): length 5.9
  Top w0.305: v1(23.79,19.45) 24.51,18.73 J3.2 25.4,19.93 25.93,20.46 C25.1 25.93,21.56 R16.2
  Bottom w0.305: v1(23.79,19.45) 23.46,19.45 TP6.1
Net-(U1-EN): length 1.8
  Bottom w0.152: R5.1 28.38,5.7 27.87,6.21 C27.1 27.67,6.49 U1.3
Net-(U2-EN): length 1.5
  Bottom w0.152: U2.3 20.51,13.25 20.51,12.72 C28.1 20.66,11.93 R10.1
Net-(U3-Bypass): length 1.9
  Bottom w0.305: U3.2 24.62,12.7 24.96,12.35 C23.1
Net-(U3-CTRL): length 2.4
  Bottom w0.152: U3.1 25.27,12.73 25.64,12.36 R15.1
Net-(U3-INN): length 1.2
  Bottom w0.305: U3.4 23.32,12.18 R13.2
Net-(U3-INP): length 1.3
  Bottom w0.305: R12.2 23.97,12.36 U3.3
Net-(U3-VCC): length 12.8
  Top w0.305: R14.2 27.06,24.07 27.12,24.01
  Top w0.508: 27.12,24.01 28.18,22.96 C20.1 28.58,22.65 C22.1 28.58,18.55 26.44,16.41 v1(24.77,16.41)
  Bottom w0.305: 23.97,17.8 23.97,17.16 24.71,16.41 v1(24.77,16.41)
Net-(U3-VoN): length 7
  Top w0.305: v1(25.82,23.09) 25.82,22.61 R16.1
  Bottom w0.305: v1(25.82,23.09) 26.08,22.83 26.08,21.51 24.42,19.85 24.42,19.4 23.32,18.3 23.32,17.8
Net-(U3-VoP): length 6.7
  Top w0.305: R17.1 26.7,22.6 v1(26.7,23.08)
  Bottom w0.305: v1(26.7,23.08) 26.49,22.87 26.49,21.31 24.84,19.66 24.84,19.31 25.27,18.89 25.27,17.8
Net-(X1-CLK): length 2.8
  Top w0.152: R18.1 10.74,20.53 9.88,19.67 X1.3
Net-(X1-ENABLE): length 1.2
  Top w0.152: R9.1 8.68,15.97 X1.1

## Copper pours and planes (outline as drawn; the poured copper is in the pictures)
GND on Top, Bottom, In1.Cu, In2.Cu: 28.37,29.75 29.79,28.33 29.79,1.54 28.46,0.21 25.73,0.21 24.88,1.06 24.88,5.25 24.48,5.65 5.51,5.65 5.33,5.47 4.06,5.47 3.98,5.55 3.98,29.2 4.53,29.75

## Text on the board
B.Silkscreen: reCamera S101 | v1.1 06/21/24
F.Silkscreen: 4 LAYER#- -1.6MM / LAYERS STACKUP | L2 INNER | L3 INNER | BOTTOM | PP | CORE | TOP | LAYER | MATERIAL | COPPER | THICKNESS | 1 OZ | 3.91mil | 0.5 OZ | 49.8mil | LAYER TYPE | ROUTING | SINGLE 50ohm+/-10% | Line width(mil) | DIFFERENCE 90ohm+/-10% | Line width/Space(mil) | IMPEDANCE | DIFFERENCE 100ohm+/-10% | W:4.29/S:6 | LAYERS LAMINATION & IMPEDANCE CONTROL
